# Altium PCB GEM_AFE_128.PcbDoc (part 11 of 18)
Units mm, origin at the board's own origin, x right, y up, seen from the top; angles counter-clockwise.
Board outline 112 x 81.5 mm, 8 copper layers (Top Layer, L1, L2, L3, L4, L5, L6, Bottom Layer), stack 1.52 mm thick; 1880 components, 1258 nets, 6287 pads, 2369 vias.
Unrouted connection lines stored in the file: 4.
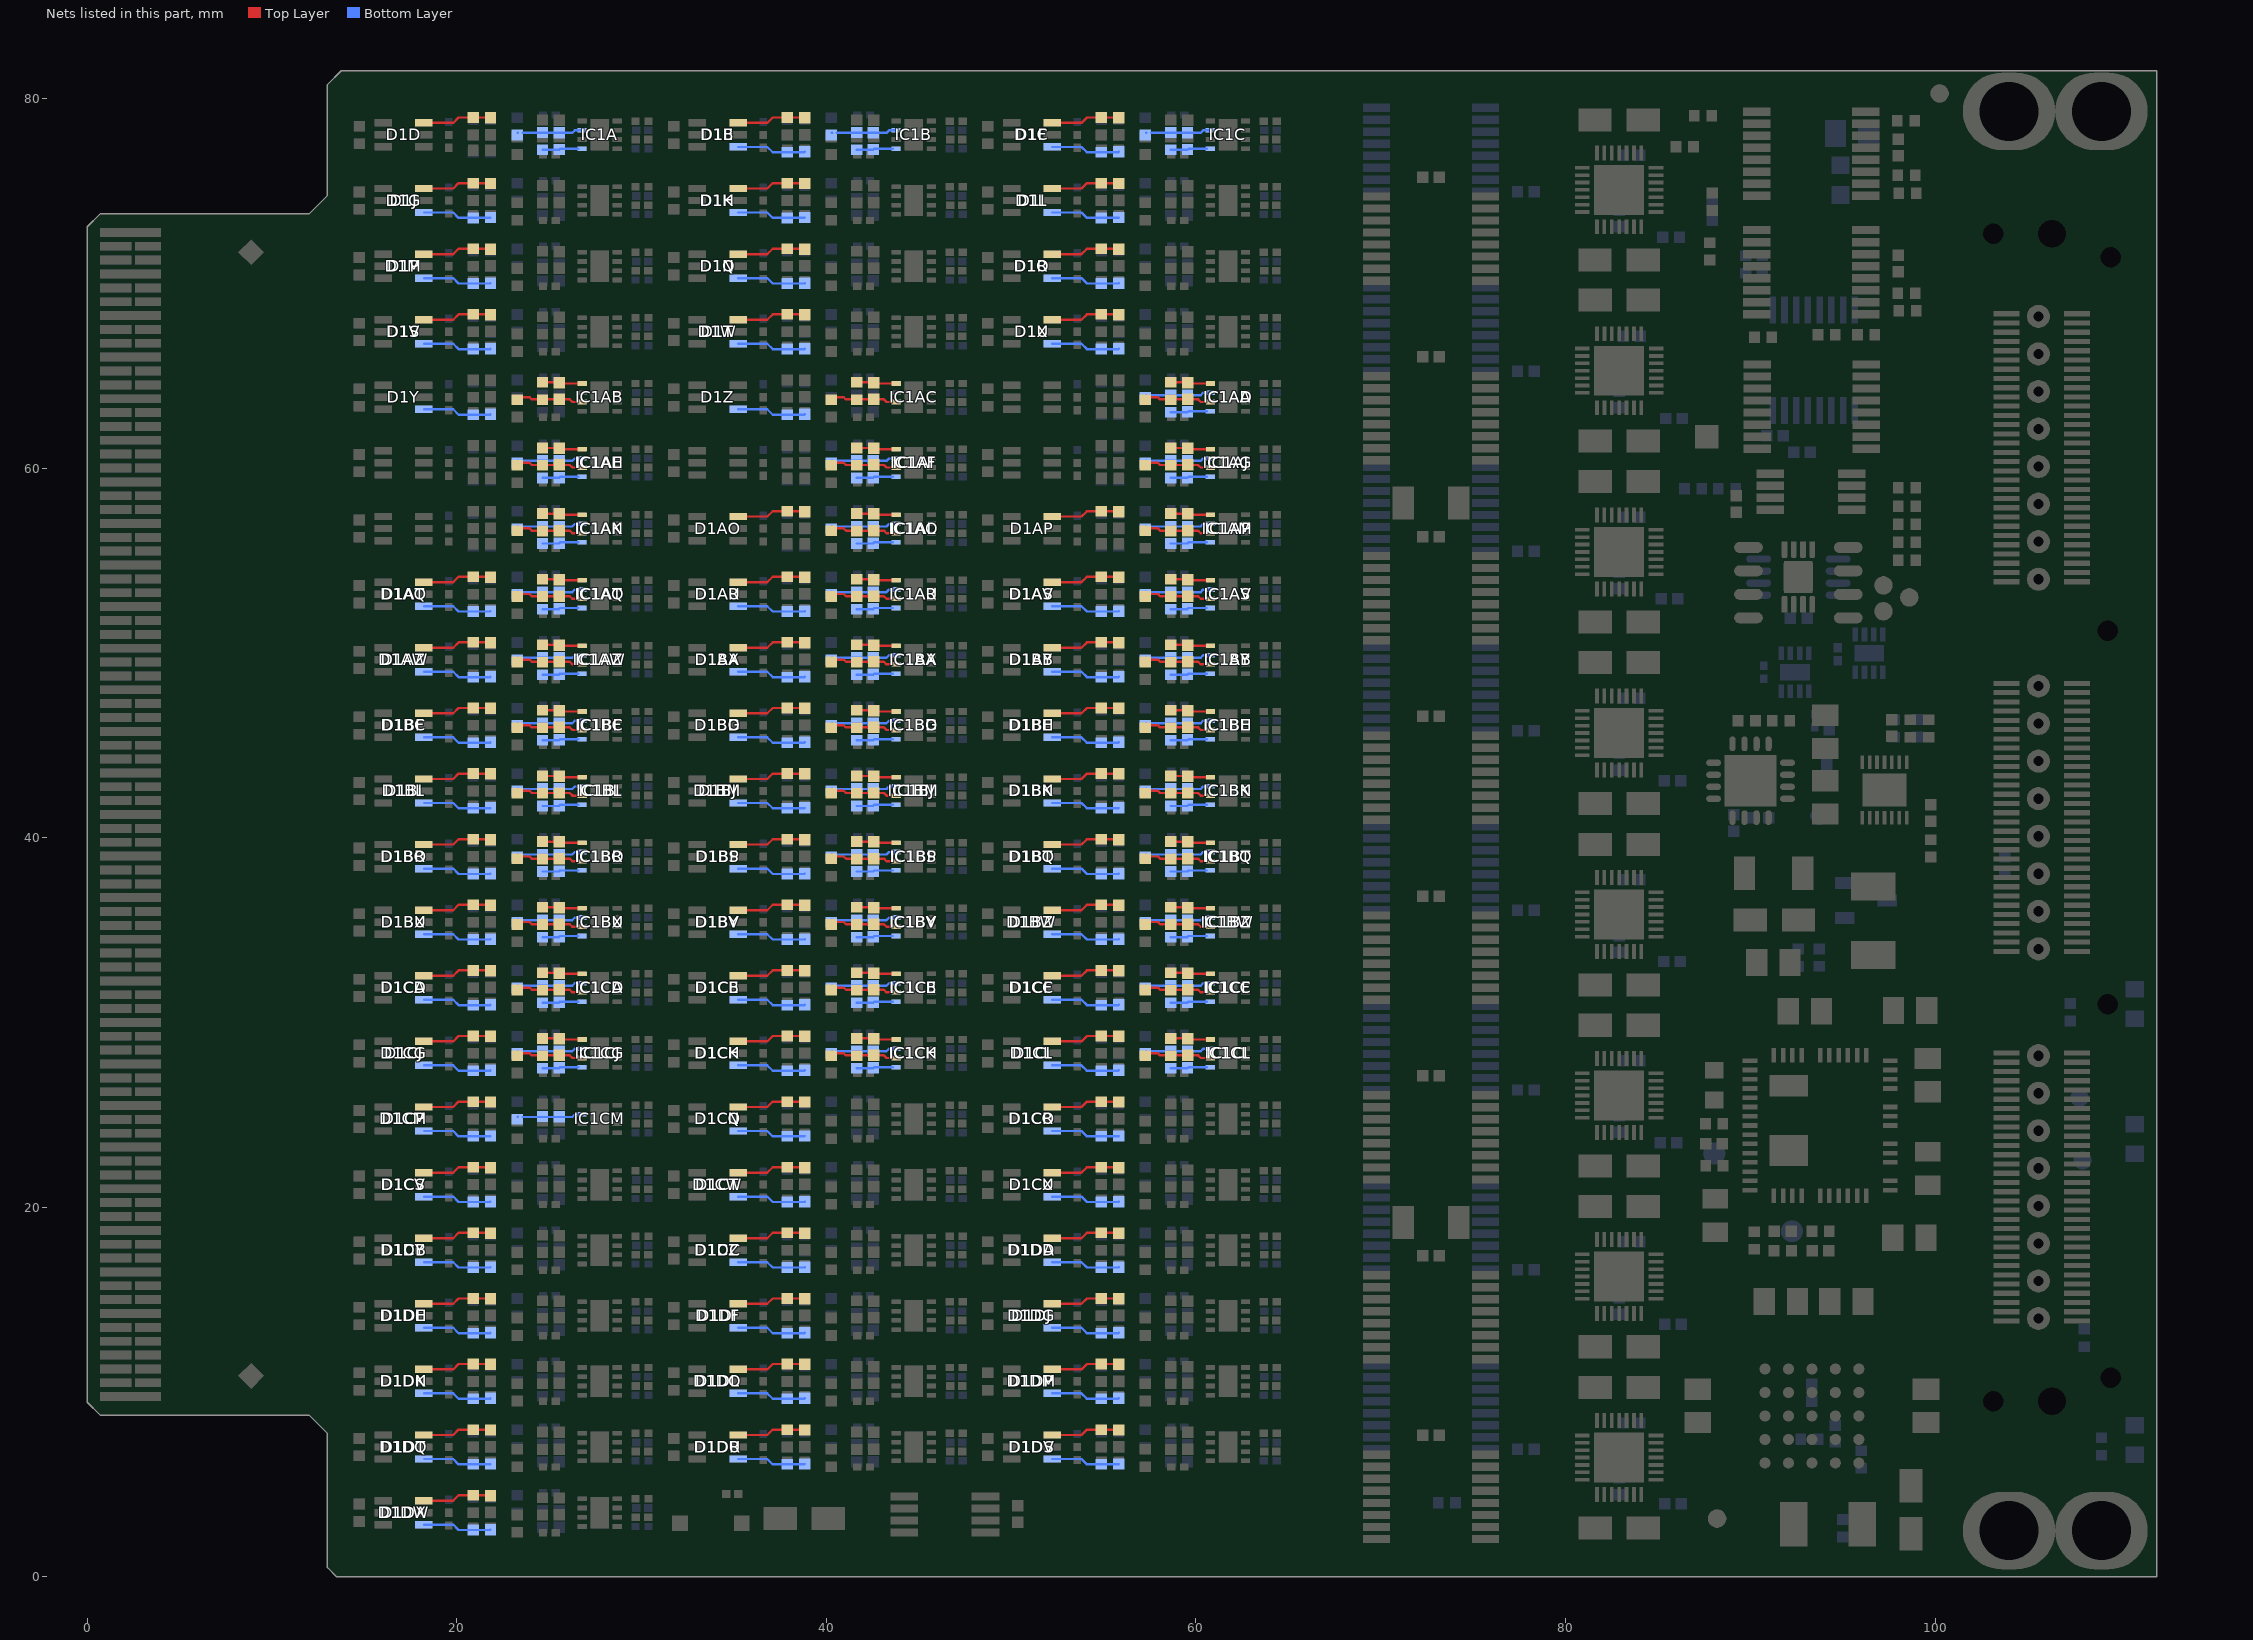
[diagram p17: the nets of this part, all layers, seen from the top]

## Via types
v1: diameter 0.5, hole 0.2, Top Layer to Bottom Layer, tented both sides, 1849 vias
v2: diameter 0.45, hole 0.2, Top Layer to Bottom Layer, tented both sides, 506 vias
v3: diameter 0.45, hole 0.2, Top Layer to Bottom Layer, 14 vias

## Nets (pads, with @x,y where several pads share a name; then routed paths per layer and width w, separated by ;. In a path a pad name is that pad's centre, name@x,y a point inside that pad or via, vN(x,y) a via of type N, cw(c..) or ccw(c..) an arc to the next point about the centre after c; other vN are vias at no path point) (continued)
NetC1AO_1: C1AO.1 D1AO.6 R2AO.2 | length 3.7
  Top Layer w0.127: D1AO.6@35.225,57.375 36.806,57.375 37.096,57.665 R2AO.2@37.887,57.665 38.806,57.665 C1AO.1@38.826,57.645
NetC1AP_1: C1AP.1 D1AP.6 R2AP.2 | length 3.7
  Top Layer w0.127: D1AP.6@52.225,57.375 53.806,57.375 54.096,57.665 R2AP.2@54.887,57.665 55.806,57.665 C1AP.1@55.826,57.645
NetC1AQ_1: C1AQ.1 D1AQ.6 R2AQ.2 | length 3.7
  Bottom Layer w0.127: D1AQ.6@18.225,52.525 19.806,52.525 20.096,52.235 R2AQ.2@20.887,52.235 21.806,52.235 C1AQ.1@21.826,52.255
NetC1AR_1: C1AR.1 D1AR.6 R2AR.2 | length 3.7
  Bottom Layer w0.127: D1AR.6@35.225,52.525 36.806,52.525 37.096,52.235 R2AR.2@37.887,52.235 38.806,52.235 C1AR.1@38.826,52.255
NetC1AS_1: C1AS.1 D1AS.6 R2AS.2 | length 3.7
  Bottom Layer w0.127: D1AS.6@52.225,52.525 53.806,52.525 54.096,52.235 R2AS.2@54.887,52.235 55.806,52.235 C1AS.1@55.826,52.255
NetC1AT_1: C1AT.1 D1AT.6 R2AT.2 | length 3.7
  Top Layer w0.127: D1AT.6@18.225,53.825 19.806,53.825 20.096,54.115 R2AT.2@20.887,54.115 21.806,54.115 C1AT.1@21.826,54.095
NetC1AU_1: C1AU.1 D1AU.6 R2AU.2 | length 3.7
  Top Layer w0.127: D1AU.6@35.225,53.825 36.806,53.825 37.096,54.115 R2AU.2@37.887,54.115 38.806,54.115 C1AU.1@38.826,54.095
NetC1AV_1: C1AV.1 D1AV.6 R2AV.2 | length 3.7
  Top Layer w0.127: D1AV.6@52.225,53.825 53.806,53.825 54.096,54.115 R2AV.2@54.887,54.115 55.806,54.115 C1AV.1@55.826,54.095
NetC1AW_1: C1AW.1 D1AW.6 R2AW.2 | length 3.7
  Bottom Layer w0.127: D1AW.6@18.225,48.975 19.806,48.975 20.096,48.685 R2AW.2@20.887,48.685 21.806,48.685 C1AW.1@21.826,48.705
NetC1AX_1: C1AX.1 D1AX.6 R2AX.2 | length 3.7
  Bottom Layer w0.127: D1AX.6@35.225,48.975 36.806,48.975 37.096,48.685 R2AX.2@37.887,48.685 38.806,48.685 C1AX.1@38.826,48.705
NetC1AY_1: C1AY.1 D1AY.6 R2AY.2 | length 3.7
  Bottom Layer w0.127: D1AY.6@52.225,48.975 53.806,48.975 54.096,48.685 R2AY.2@54.887,48.685 55.806,48.685 C1AY.1@55.826,48.705
NetC1AZ_1: C1AZ.1 D1AZ.6 R2AZ.2 | length 3.7
  Top Layer w0.127: D1AZ.6@18.225,50.275 19.806,50.275 20.096,50.565 R2AZ.2@20.887,50.565 21.806,50.565 C1AZ.1@21.826,50.545
NetC1B_1: C1B.1 D1B.6 R2B.2 | length 3.7
  Bottom Layer w0.127: D1B.6@35.225,77.375 36.806,77.375 37.096,77.085 R2B.2@37.887,77.085 38.806,77.085 C1B.1@38.826,77.105
NetC1BA_1: C1BA.1 D1BA.6 R2BA.2 | length 3.7
  Top Layer w0.127: D1BA.6@35.225,50.275 36.806,50.275 37.096,50.565 R2BA.2@37.887,50.565 38.806,50.565 C1BA.1@38.826,50.545
NetC1BB_1: C1BB.1 D1BB.6 R2BB.2 | length 3.7
  Top Layer w0.127: D1BB.6@52.225,50.275 53.806,50.275 54.096,50.565 R2BB.2@54.887,50.565 55.806,50.565 C1BB.1@55.826,50.545
NetC1BC_1: C1BC.1 D1BC.6 R2BC.2 | length 3.7
  Bottom Layer w0.127: D1BC.6@18.225,45.425 19.806,45.425 20.096,45.135 R2BC.2@20.887,45.135 21.806,45.135 C1BC.1@21.826,45.155
NetC1BD_1: C1BD.1 D1BD.6 R2BD.2 | length 3.7
  Bottom Layer w0.127: D1BD.6@35.225,45.425 36.806,45.425 37.096,45.135 R2BD.2@37.887,45.135 38.806,45.135 C1BD.1@38.826,45.155
NetC1BE_1: C1BE.1 D1BE.6 R2BE.2 | length 3.7
  Bottom Layer w0.127: D1BE.6@52.225,45.425 53.806,45.425 54.096,45.135 R2BE.2@54.887,45.135 55.806,45.135 C1BE.1@55.826,45.155
NetC1BF_1: C1BF.1 D1BF.6 R2BF.2 | length 3.7
  Top Layer w0.127: D1BF.6@18.225,46.725 19.806,46.725 20.096,47.015 R2BF.2@20.887,47.015 21.806,47.015 C1BF.1@21.826,46.995
NetC1BG_1: C1BG.1 D1BG.6 R2BG.2 | length 3.7
  Top Layer w0.127: D1BG.6@35.225,46.725 36.806,46.725 37.096,47.015 R2BG.2@37.887,47.015 38.806,47.015 C1BG.1@38.826,46.995
NetC1BH_1: C1BH.1 D1BH.6 R2BH.2 | length 3.7
  Top Layer w0.127: D1BH.6@52.225,46.725 53.806,46.725 54.096,47.015 R2BH.2@54.887,47.015 55.806,47.015 C1BH.1@55.826,46.995
NetC1BI_1: C1BI.1 D1BI.6 R2BI.2 | length 3.7
  Bottom Layer w0.127: D1BI.6@18.225,41.875 19.806,41.875 20.096,41.585 R2BI.2@20.887,41.585 21.806,41.585 C1BI.1@21.826,41.605
NetC1BJ_1: C1BJ.1 D1BJ.6 R2BJ.2 | length 3.7
  Bottom Layer w0.127: D1BJ.6@35.225,41.875 36.806,41.875 37.096,41.585 R2BJ.2@37.887,41.585 38.806,41.585 C1BJ.1@38.826,41.605
NetC1BK_1: C1BK.1 D1BK.6 R2BK.2 | length 3.7
  Bottom Layer w0.127: D1BK.6@52.225,41.875 53.806,41.875 54.096,41.585 R2BK.2@54.887,41.585 55.806,41.585 C1BK.1@55.826,41.605
NetC1BL_1: C1BL.1 D1BL.6 R2BL.2 | length 3.7
  Top Layer w0.127: D1BL.6@18.225,43.175 19.806,43.175 20.096,43.465 R2BL.2@20.887,43.465 21.806,43.465 C1BL.1@21.826,43.445
NetC1BM_1: C1BM.1 D1BM.6 R2BM.2 | length 3.7
  Top Layer w0.127: D1BM.6@35.225,43.175 36.806,43.175 37.096,43.465 R2BM.2@37.887,43.465 38.806,43.465 C1BM.1@38.826,43.445
NetC1BN_1: C1BN.1 D1BN.6 R2BN.2 | length 3.7
  Top Layer w0.127: D1BN.6@52.225,43.175 53.806,43.175 54.096,43.465 R2BN.2@54.887,43.465 55.806,43.465 C1BN.1@55.826,43.445
NetC1BO_1: C1BO.1 D1BO.6 R2BO.2 | length 3.7
  Bottom Layer w0.127: D1BO.6@18.225,38.325 19.806,38.325 20.096,38.035 R2BO.2@20.887,38.035 21.806,38.035 C1BO.1@21.826,38.055
NetC1BP_1: C1BP.1 D1BP.6 R2BP.2 | length 3.7
  Bottom Layer w0.127: D1BP.6@35.225,38.325 36.806,38.325 37.096,38.035 R2BP.2@37.887,38.035 38.806,38.035 C1BP.1@38.826,38.055
NetC1BQ_1: C1BQ.1 D1BQ.6 R2BQ.2 | length 3.7
  Bottom Layer w0.127: D1BQ.6@52.225,38.325 53.806,38.325 54.096,38.035 R2BQ.2@54.887,38.035 55.806,38.035 C1BQ.1@55.826,38.055
NetC1BR_1: C1BR.1 D1BR.6 R2BR.2 | length 3.7
  Top Layer w0.127: D1BR.6@18.225,39.625 19.806,39.625 20.096,39.915 R2BR.2@20.887,39.915 21.806,39.915 C1BR.1@21.826,39.895
NetC1BS_1: C1BS.1 D1BS.6 R2BS.2 | length 3.7
  Top Layer w0.127: D1BS.6@35.225,39.625 36.806,39.625 37.096,39.915 R2BS.2@37.887,39.915 38.806,39.915 C1BS.1@38.826,39.895
NetC1BT_1: C1BT.1 D1BT.6 R2BT.2 | length 3.7
  Top Layer w0.127: D1BT.6@52.225,39.625 53.806,39.625 54.096,39.915 R2BT.2@54.887,39.915 55.806,39.915 C1BT.1@55.826,39.895
NetC1BU_1: C1BU.1 D1BU.6 R2BU.2 | length 3.7
  Bottom Layer w0.127: D1BU.6@18.225,34.775 19.806,34.775 20.096,34.485 R2BU.2@20.887,34.485 21.806,34.485 C1BU.1@21.826,34.505
NetC1BV_1: C1BV.1 D1BV.6 R2BV.2 | length 3.7
  Bottom Layer w0.127: D1BV.6@35.225,34.775 36.806,34.775 37.096,34.485 R2BV.2@37.887,34.485 38.806,34.485 C1BV.1@38.826,34.505
NetC1BW_1: C1BW.1 D1BW.6 R2BW.2 | length 3.7
  Bottom Layer w0.127: D1BW.6@52.225,34.775 53.806,34.775 54.096,34.485 R2BW.2@54.887,34.485 55.806,34.485 C1BW.1@55.826,34.505
NetC1BX_1: C1BX.1 D1BX.6 R2BX.2 | length 3.7
  Top Layer w0.127: D1BX.6@18.225,36.075 19.806,36.075 20.096,36.365 R2BX.2@20.887,36.365 21.806,36.365 C1BX.1@21.826,36.345
NetC1BY_1: C1BY.1 D1BY.6 R2BY.2 | length 3.7
  Top Layer w0.127: D1BY.6@35.225,36.075 36.806,36.075 37.096,36.365 R2BY.2@37.887,36.365 38.806,36.365 C1BY.1@38.826,36.345
NetC1BZ_1: C1BZ.1 D1BZ.6 R2BZ.2 | length 3.7
  Top Layer w0.127: D1BZ.6@52.225,36.075 53.806,36.075 54.096,36.365 R2BZ.2@54.887,36.365 55.806,36.365 C1BZ.1@55.826,36.345
NetC1C_1: C1C.1 D1C.6 R2C.2 | length 3.7
  Bottom Layer w0.127: D1C.6@52.225,77.375 53.806,77.375 54.096,77.085 R2C.2@54.887,77.085 55.806,77.085 C1C.1@55.826,77.105
NetC1CA_1: C1CA.1 D1CA.6 R2CA.2 | length 3.7
  Bottom Layer w0.127: D1CA.6@18.225,31.225 19.806,31.225 20.096,30.935 R2CA.2@20.887,30.935 21.806,30.935 C1CA.1@21.826,30.955
NetC1CB_1: C1CB.1 D1CB.6 R2CB.2 | length 3.7
  Bottom Layer w0.127: D1CB.6@35.225,31.225 36.806,31.225 37.096,30.935 R2CB.2@37.887,30.935 38.806,30.935 C1CB.1@38.826,30.955
NetC1CC_1: C1CC.1 D1CC.6 R2CC.2 | length 3.7
  Bottom Layer w0.127: D1CC.6@52.225,31.225 53.806,31.225 54.096,30.935 R2CC.2@54.887,30.935 55.806,30.935 C1CC.1@55.826,30.955
NetC1CD_1: C1CD.1 D1CD.6 R2CD.2 | length 3.7
  Top Layer w0.127: D1CD.6@18.225,32.525 19.806,32.525 20.096,32.815 R2CD.2@20.887,32.815 21.806,32.815 C1CD.1@21.826,32.795
NetC1CE_1: C1CE.1 D1CE.6 R2CE.2 | length 3.7
  Top Layer w0.127: D1CE.6@35.225,32.525 36.806,32.525 37.096,32.815 R2CE.2@37.887,32.815 38.806,32.815 C1CE.1@38.826,32.795
NetC1CF_1: C1CF.1 D1CF.6 R2CF.2 | length 3.7
  Top Layer w0.127: D1CF.6@52.225,32.525 53.806,32.525 54.096,32.815 R2CF.2@54.887,32.815 55.806,32.815 C1CF.1@55.826,32.795
NetC1CG_1: C1CG.1 D1CG.6 R2CG.2 | length 3.7
  Bottom Layer w0.127: D1CG.6@18.225,27.675 19.806,27.675 20.096,27.385 R2CG.2@20.887,27.385 21.806,27.385 C1CG.1@21.826,27.405
NetC1CH_1: C1CH.1 D1CH.6 R2CH.2 | length 3.7
  Bottom Layer w0.127: D1CH.6@35.225,27.675 36.806,27.675 37.096,27.385 R2CH.2@37.887,27.385 38.806,27.385 C1CH.1@38.826,27.405
NetC1CI_1: C1CI.1 D1CI.6 R2CI.2 | length 3.7
  Bottom Layer w0.127: D1CI.6@52.225,27.675 53.806,27.675 54.096,27.385 R2CI.2@54.887,27.385 55.806,27.385 C1CI.1@55.826,27.405
NetC1CJ_1: C1CJ.1 D1CJ.6 R2CJ.2 | length 3.7
  Top Layer w0.127: D1CJ.6@18.225,28.975 19.806,28.975 20.096,29.265 R2CJ.2@20.887,29.265 21.806,29.265 C1CJ.1@21.826,29.245
NetC1CK_1: C1CK.1 D1CK.6 R2CK.2 | length 3.7
  Top Layer w0.127: D1CK.6@35.225,28.975 36.806,28.975 37.096,29.265 R2CK.2@37.887,29.265 38.806,29.265 C1CK.1@38.826,29.245
NetC1CL_1: C1CL.1 D1CL.6 R2CL.2 | length 3.7
  Top Layer w0.127: D1CL.6@52.225,28.975 53.806,28.975 54.096,29.265 R2CL.2@54.887,29.265 55.806,29.265 C1CL.1@55.826,29.245
NetC1CM_1: C1CM.1 D1CM.6 R2CM.2 | length 3.7
  Bottom Layer w0.127: D1CM.6@18.225,24.125 19.806,24.125 20.096,23.835 R2CM.2@20.887,23.835 21.806,23.835 C1CM.1@21.826,23.855
NetC1CN_1: C1CN.1 D1CN.6 R2CN.2 | length 3.7
  Bottom Layer w0.127: D1CN.6@35.225,24.125 36.806,24.125 37.096,23.835 R2CN.2@37.887,23.835 38.806,23.835 C1CN.1@38.826,23.855
NetC1CO_1: C1CO.1 D1CO.6 R2CO.2 | length 3.7
  Bottom Layer w0.127: D1CO.6@52.225,24.125 53.806,24.125 54.096,23.835 R2CO.2@54.887,23.835 55.806,23.835 C1CO.1@55.826,23.855
NetC1CP_1: C1CP.1 D1CP.6 R2CP.2 | length 3.7
  Top Layer w0.127: D1CP.6@18.225,25.425 19.806,25.425 20.096,25.715 R2CP.2@20.887,25.715 21.806,25.715 C1CP.1@21.826,25.695
NetC1CQ_1: C1CQ.1 D1CQ.6 R2CQ.2 | length 3.7
  Top Layer w0.127: D1CQ.6@35.225,25.425 36.806,25.425 37.096,25.715 R2CQ.2@37.887,25.715 38.806,25.715 C1CQ.1@38.826,25.695
NetC1CR_1: C1CR.1 D1CR.6 R2CR.2 | length 3.7
  Top Layer w0.127: D1CR.6@52.225,25.425 53.806,25.425 54.096,25.715 R2CR.2@54.887,25.715 55.806,25.715 C1CR.1@55.826,25.695
NetC1CS_1: C1CS.1 D1CS.6 R2CS.2 | length 3.7
  Bottom Layer w0.127: D1CS.6@18.225,20.575 19.806,20.575 20.096,20.285 R2CS.2@20.887,20.285 21.806,20.285 C1CS.1@21.826,20.305
NetC1CT_1: C1CT.1 D1CT.6 R2CT.2 | length 3.7
  Bottom Layer w0.127: D1CT.6@35.225,20.575 36.806,20.575 37.096,20.285 R2CT.2@37.887,20.285 38.806,20.285 C1CT.1@38.826,20.305
NetC1CU_1: C1CU.1 D1CU.6 R2CU.2 | length 3.7
  Bottom Layer w0.127: D1CU.6@52.225,20.575 53.806,20.575 54.096,20.285 R2CU.2@54.887,20.285 55.806,20.285 C1CU.1@55.826,20.305
NetC1CV_1: C1CV.1 D1CV.6 R2CV.2 | length 3.7
  Top Layer w0.127: D1CV.6@18.225,21.875 19.806,21.875 20.096,22.165 R2CV.2@20.887,22.165 21.806,22.165 C1CV.1@21.826,22.145
NetC1CW_1: C1CW.1 D1CW.6 R2CW.2 | length 3.7
  Top Layer w0.127: D1CW.6@35.225,21.875 36.806,21.875 37.096,22.165 R2CW.2@37.887,22.165 38.806,22.165 C1CW.1@38.826,22.145
NetC1CX_1: C1CX.1 D1CX.6 R2CX.2 | length 3.7
  Top Layer w0.127: D1CX.6@52.225,21.875 53.806,21.875 54.096,22.165 R2CX.2@54.887,22.165 55.806,22.165 C1CX.1@55.826,22.145
NetC1CY_1: C1CY.1 D1CY.6 R2CY.2 | length 3.7
  Bottom Layer w0.127: D1CY.6@18.225,17.025 19.806,17.025 20.096,16.735 R2CY.2@20.887,16.735 21.806,16.735 C1CY.1@21.826,16.755
NetC1CZ_1: C1CZ.1 D1CZ.6 R2CZ.2 | length 3.7
  Bottom Layer w0.127: D1CZ.6@35.225,17.025 36.806,17.025 37.096,16.735 R2CZ.2@37.887,16.735 38.806,16.735 C1CZ.1@38.826,16.755
NetC1D_1: C1D.1 D1D.6 R2D.2 | length 3.7
  Top Layer w0.127: D1D.6@18.225,78.675 19.806,78.675 20.096,78.965 R2D.2@20.887,78.965 21.806,78.965 C1D.1@21.826,78.945
NetC1DA_1: C1DA.1 D1DA.6 R2DA.2 | length 3.7
  Bottom Layer w0.127: D1DA.6@52.225,17.025 53.806,17.025 54.096,16.735 R2DA.2@54.887,16.735 55.806,16.735 C1DA.1@55.826,16.755
NetC1DB_1: C1DB.1 D1DB.6 R2DB.2 | length 3.7
  Top Layer w0.127: D1DB.6@18.225,18.325 19.806,18.325 20.096,18.615 R2DB.2@20.887,18.615 21.806,18.615 C1DB.1@21.826,18.595
NetC1DC_1: C1DC.1 D1DC.6 R2DC.2 | length 3.7
  Top Layer w0.127: D1DC.6@35.225,18.325 36.806,18.325 37.096,18.615 R2DC.2@37.887,18.615 38.806,18.615 C1DC.1@38.826,18.595
NetC1DD_1: C1DD.1 D1DD.6 R2DD.2 | length 3.7
  Top Layer w0.127: D1DD.6@52.225,18.325 53.806,18.325 54.096,18.615 R2DD.2@54.887,18.615 55.806,18.615 C1DD.1@55.826,18.595
NetC1DE_1: C1DE.1 D1DE.6 R2DE.2 | length 3.7
  Bottom Layer w0.127: D1DE.6@18.225,13.475 19.806,13.475 20.096,13.185 R2DE.2@20.887,13.185 21.806,13.185 C1DE.1@21.826,13.205
NetC1DF_1: C1DF.1 D1DF.6 R2DF.2 | length 3.7
  Bottom Layer w0.127: D1DF.6@35.225,13.475 36.806,13.475 37.096,13.185 R2DF.2@37.887,13.185 38.806,13.185 C1DF.1@38.826,13.205
NetC1DG_1: C1DG.1 D1DG.6 R2DG.2 | length 3.7
  Bottom Layer w0.127: D1DG.6@52.225,13.475 53.806,13.475 54.096,13.185 R2DG.2@54.887,13.185 55.806,13.185 C1DG.1@55.826,13.205
NetC1DH_1: C1DH.1 D1DH.6 R2DH.2 | length 3.7
  Top Layer w0.127: D1DH.6@18.225,14.775 19.806,14.775 20.096,15.065 R2DH.2@20.887,15.065 21.806,15.065 C1DH.1@21.826,15.045
NetC1DI_1: C1DI.1 D1DI.6 R2DI.2 | length 3.7
  Top Layer w0.127: D1DI.6@35.225,14.775 36.806,14.775 37.096,15.065 R2DI.2@37.887,15.065 38.806,15.065 C1DI.1@38.826,15.045
NetC1DJ_1: C1DJ.1 D1DJ.6 R2DJ.2 | length 3.7
  Top Layer w0.127: D1DJ.6@52.225,14.775 53.806,14.775 54.096,15.065 R2DJ.2@54.887,15.065 55.806,15.065 C1DJ.1@55.826,15.045
NetC1DK_1: C1DK.1 D1DK.6 R2DK.2 | length 3.7
  Bottom Layer w0.127: D1DK.6@18.225,9.925 19.806,9.925 20.096,9.635 R2DK.2@20.887,9.635 21.806,9.635 C1DK.1@21.826,9.655
NetC1DL_1: C1DL.1 D1DL.6 R2DL.2 | length 3.7
  Bottom Layer w0.127: D1DL.6@35.225,9.925 36.806,9.925 37.096,9.635 R2DL.2@37.887,9.635 38.806,9.635 C1DL.1@38.826,9.655
NetC1DM_1: C1DM.1 D1DM.6 R2DM.2 | length 3.7
  Bottom Layer w0.127: D1DM.6@52.225,9.925 53.806,9.925 54.096,9.635 R2DM.2@54.887,9.635 55.806,9.635 C1DM.1@55.826,9.655
NetC1DN_1: C1DN.1 D1DN.6 R2DN.2 | length 3.7
  Top Layer w0.127: D1DN.6@18.225,11.225 19.806,11.225 20.096,11.515 R2DN.2@20.887,11.515 21.806,11.515 C1DN.1@21.826,11.495
NetC1DO_1: C1DO.1 D1DO.6 R2DO.2 | length 3.7
  Top Layer w0.127: D1DO.6@35.225,11.225 36.806,11.225 37.096,11.515 R2DO.2@37.887,11.515 38.806,11.515 C1DO.1@38.826,11.495
NetC1DP_1: C1DP.1 D1DP.6 R2DP.2 | length 3.7
  Top Layer w0.127: D1DP.6@52.225,11.225 53.806,11.225 54.096,11.515 R2DP.2@54.887,11.515 55.806,11.515 C1DP.1@55.826,11.495
NetC1DQ_1: C1DQ.1 D1DQ.6 R2DQ.2 | length 3.7
  Bottom Layer w0.127: D1DQ.6@18.225,6.375 19.806,6.375 20.096,6.085 R2DQ.2@20.887,6.085 21.806,6.085 C1DQ.1@21.826,6.105
NetC1DR_1: C1DR.1 D1DR.6 R2DR.2 | length 3.7
  Bottom Layer w0.127: D1DR.6@35.225,6.375 36.806,6.375 37.096,6.085 R2DR.2@37.887,6.085 38.806,6.085 C1DR.1@38.826,6.105
NetC1DS_1: C1DS.1 D1DS.6 R2DS.2 | length 3.7
  Bottom Layer w0.127: D1DS.6@52.225,6.375 53.806,6.375 54.096,6.085 R2DS.2@54.887,6.085 55.806,6.085 C1DS.1@55.826,6.105
NetC1DT_1: C1DT.1 D1DT.6 R2DT.2 | length 3.7
  Top Layer w0.127: D1DT.6@18.225,7.675 19.806,7.675 20.096,7.965 R2DT.2@20.887,7.965 21.806,7.965 C1DT.1@21.826,7.945
NetC1DU_1: C1DU.1 D1DU.6 R2DU.2 | length 3.7
  Top Layer w0.127: D1DU.6@35.225,7.675 36.806,7.675 37.096,7.965 R2DU.2@37.887,7.965 38.806,7.965 C1DU.1@38.826,7.945
NetC1DV_1: C1DV.1 D1DV.6 R2DV.2 | length 3.7
  Top Layer w0.127: D1DV.6@52.225,7.675 53.806,7.675 54.096,7.965 R2DV.2@54.887,7.965 55.806,7.965 C1DV.1@55.826,7.945
NetC1DW_1: C1DW.1 D1DW.6 R2DW.2 | length 3.7
  Bottom Layer w0.127: D1DW.6@18.225,2.825 19.806,2.825 20.096,2.535 R2DW.2@20.887,2.535 21.806,2.535 C1DW.1@21.826,2.555
NetC1DX_1: C1DX.1 D1DX.6 R2DX.2 | length 3.7
  Top Layer w0.127: D1DX.6@18.225,4.125 19.806,4.125 20.096,4.415 R2DX.2@20.887,4.415 21.806,4.415 C1DX.1@21.826,4.395
NetC1E_1: C1E.1 D1E.6 R2E.2 | length 3.7
  Top Layer w0.127: D1E.6@35.225,78.675 36.806,78.675 37.096,78.965 R2E.2@37.887,78.965 38.806,78.965 C1E.1@38.826,78.945
NetC1F_1: C1F.1 D1F.6 R2F.2 | length 3.7
  Top Layer w0.127: D1F.6@52.225,78.675 53.806,78.675 54.096,78.965 R2F.2@54.887,78.965 55.806,78.965 C1F.1@55.826,78.945
NetC1G_1: C1G.1 D1G.6 R2G.2 | length 3.7
  Bottom Layer w0.127: D1G.6@18.225,73.825 19.806,73.825 20.096,73.535 R2G.2@20.887,73.535 21.806,73.535 C1G.1@21.826,73.555
NetC1H_1: C1H.1 D1H.6 R2H.2 | length 3.7
  Bottom Layer w0.127: D1H.6@35.225,73.825 36.806,73.825 37.096,73.535 R2H.2@37.887,73.535 38.806,73.535 C1H.1@38.826,73.555
NetC1I_1: C1I.1 D1I.6 R2I.2 | length 3.7
  Bottom Layer w0.127: D1I.6@52.225,73.825 53.806,73.825 54.096,73.535 R2I.2@54.887,73.535 55.806,73.535 C1I.1@55.826,73.555
NetC1J_1: C1J.1 D1J.6 R2J.2 | length 3.7
  Top Layer w0.127: D1J.6@18.225,75.125 19.806,75.125 20.096,75.415 R2J.2@20.887,75.415 21.806,75.415 C1J.1@21.826,75.395
NetC1K_1: C1K.1 D1K.6 R2K.2 | length 3.7
  Top Layer w0.127: D1K.6@35.225,75.125 36.806,75.125 37.096,75.415 R2K.2@37.887,75.415 38.806,75.415 C1K.1@38.826,75.395
NetC1L_1: C1L.1 D1L.6 R2L.2 | length 3.7
  Top Layer w0.127: D1L.6@52.225,75.125 53.806,75.125 54.096,75.415 R2L.2@54.887,75.415 55.806,75.415 C1L.1@55.826,75.395
NetC1M_1: C1M.1 D1M.6 R2M.2 | length 3.7
  Bottom Layer w0.127: D1M.6@18.225,70.275 19.806,70.275 20.096,69.985 R2M.2@20.887,69.985 21.806,69.985 C1M.1@21.826,70.005
NetC1N_1: C1N.1 D1N.6 R2N.2 | length 3.7
  Bottom Layer w0.127: D1N.6@35.225,70.275 36.806,70.275 37.096,69.985 R2N.2@37.887,69.985 38.806,69.985 C1N.1@38.826,70.005
NetC1O_1: C1O.1 D1O.6 R2O.2 | length 3.7
  Bottom Layer w0.127: D1O.6@52.225,70.275 53.806,70.275 54.096,69.985 R2O.2@54.887,69.985 55.806,69.985 C1O.1@55.826,70.005
NetC1P_1: C1P.1 D1P.6 R2P.2 | length 3.7
  Top Layer w0.127: D1P.6@18.225,71.575 19.806,71.575 20.096,71.865 R2P.2@20.887,71.865 21.806,71.865 C1P.1@21.826,71.845
NetC1Q_1: C1Q.1 D1Q.6 R2Q.2 | length 3.7
  Top Layer w0.127: D1Q.6@35.225,71.575 36.806,71.575 37.096,71.865 R2Q.2@37.887,71.865 38.806,71.865 C1Q.1@38.826,71.845
NetC1R_1: C1R.1 D1R.6 R2R.2 | length 3.7
  Top Layer w0.127: D1R.6@52.225,71.575 53.806,71.575 54.096,71.865 R2R.2@54.887,71.865 55.806,71.865 C1R.1@55.826,71.845
NetC1S_1: C1S.1 D1S.6 R2S.2 | length 3.7
  Bottom Layer w0.127: D1S.6@18.225,66.725 19.806,66.725 20.096,66.435 R2S.2@20.887,66.435 21.806,66.435 C1S.1@21.826,66.455
NetC1T_1: C1T.1 D1T.6 R2T.2 | length 3.7
  Bottom Layer w0.127: D1T.6@35.225,66.725 36.806,66.725 37.096,66.435 R2T.2@37.887,66.435 38.806,66.435 C1T.1@38.826,66.455
NetC1U_1: C1U.1 D1U.6 R2U.2 | length 3.7
  Bottom Layer w0.127: D1U.6@52.225,66.725 53.806,66.725 54.096,66.435 R2U.2@54.887,66.435 55.806,66.435 C1U.1@55.826,66.455
NetC1V_1: C1V.1 D1V.6 R2V.2 | length 3.7
  Top Layer w0.127: D1V.6@18.225,68.025 19.806,68.025 20.096,68.315 R2V.2@20.887,68.315 21.806,68.315 C1V.1@21.826,68.295
NetC1W_1: C1W.1 D1W.6 R2W.2 | length 3.7
  Top Layer w0.127: D1W.6@35.225,68.025 36.806,68.025 37.096,68.315 R2W.2@37.887,68.315 38.806,68.315 C1W.1@38.826,68.295
NetC1X_1: C1X.1 D1X.6 R2X.2 | length 3.7
  Top Layer w0.127: D1X.6@52.225,68.025 53.806,68.025 54.096,68.315 R2X.2@54.887,68.315 55.806,68.315 C1X.1@55.826,68.295
NetC1Y_1: C1Y.1 D1Y.6 R2Y.2 | length 3.7
  Bottom Layer w0.127: D1Y.6@18.225,63.175 19.806,63.175 20.096,62.885 R2Y.2@20.887,62.885 21.806,62.885 C1Y.1@21.826,62.905
NetC1Z_1: C1Z.1 D1Z.6 R2Z.2 | length 3.7
  Bottom Layer w0.127: D1Z.6@35.225,63.175 36.806,63.175 37.096,62.885 R2Z.2@37.887,62.885 38.806,62.885 C1Z.1@38.826,62.905
NetC2A_1: C2A.1 IC1A.3 R5A.1 R8A.2 | length 3.3
  Bottom Layer w0.127: R8A.2@23.3,78.15 R8A.2@23.315,78.135 ; R8A.2@23.565,78.135 24.639,78.135 26.255,78.135 26.389,78.269 26.78,78.269 IC1A.3@26.786,78.275
NetC2A_2: C2A.2 IC1A.1 R5A.2 | length 2
  Bottom Layer w0.127: R5A.2@24.639,77.215 25.533,77.215 25.553,77.235 25.593,77.275 IC1A.1@26.586,77.275
NetC2AA_1: C2AA.1 IC1AA.3 R5AA.1 R8AA.2 | length 3.3
  Bottom Layer w0.127: R8AA.2@57.3,63.95 R8AA.2@57.315,63.935 ; R8AA.2@57.565,63.935 58.639,63.935 60.255,63.935 60.389,64.069 60.78,64.069 IC1AA.3@60.786,64.075
NetC2AA_2: C2AA.2 IC1AA.1 R5AA.2 | length 2
  Bottom Layer w0.127: R5AA.2@58.639,63.015 59.533,63.015 59.553,63.035 59.593,63.075 IC1AA.1@60.586,63.075